# KiCad board FMC_MIPI_v2.kicad_pcb
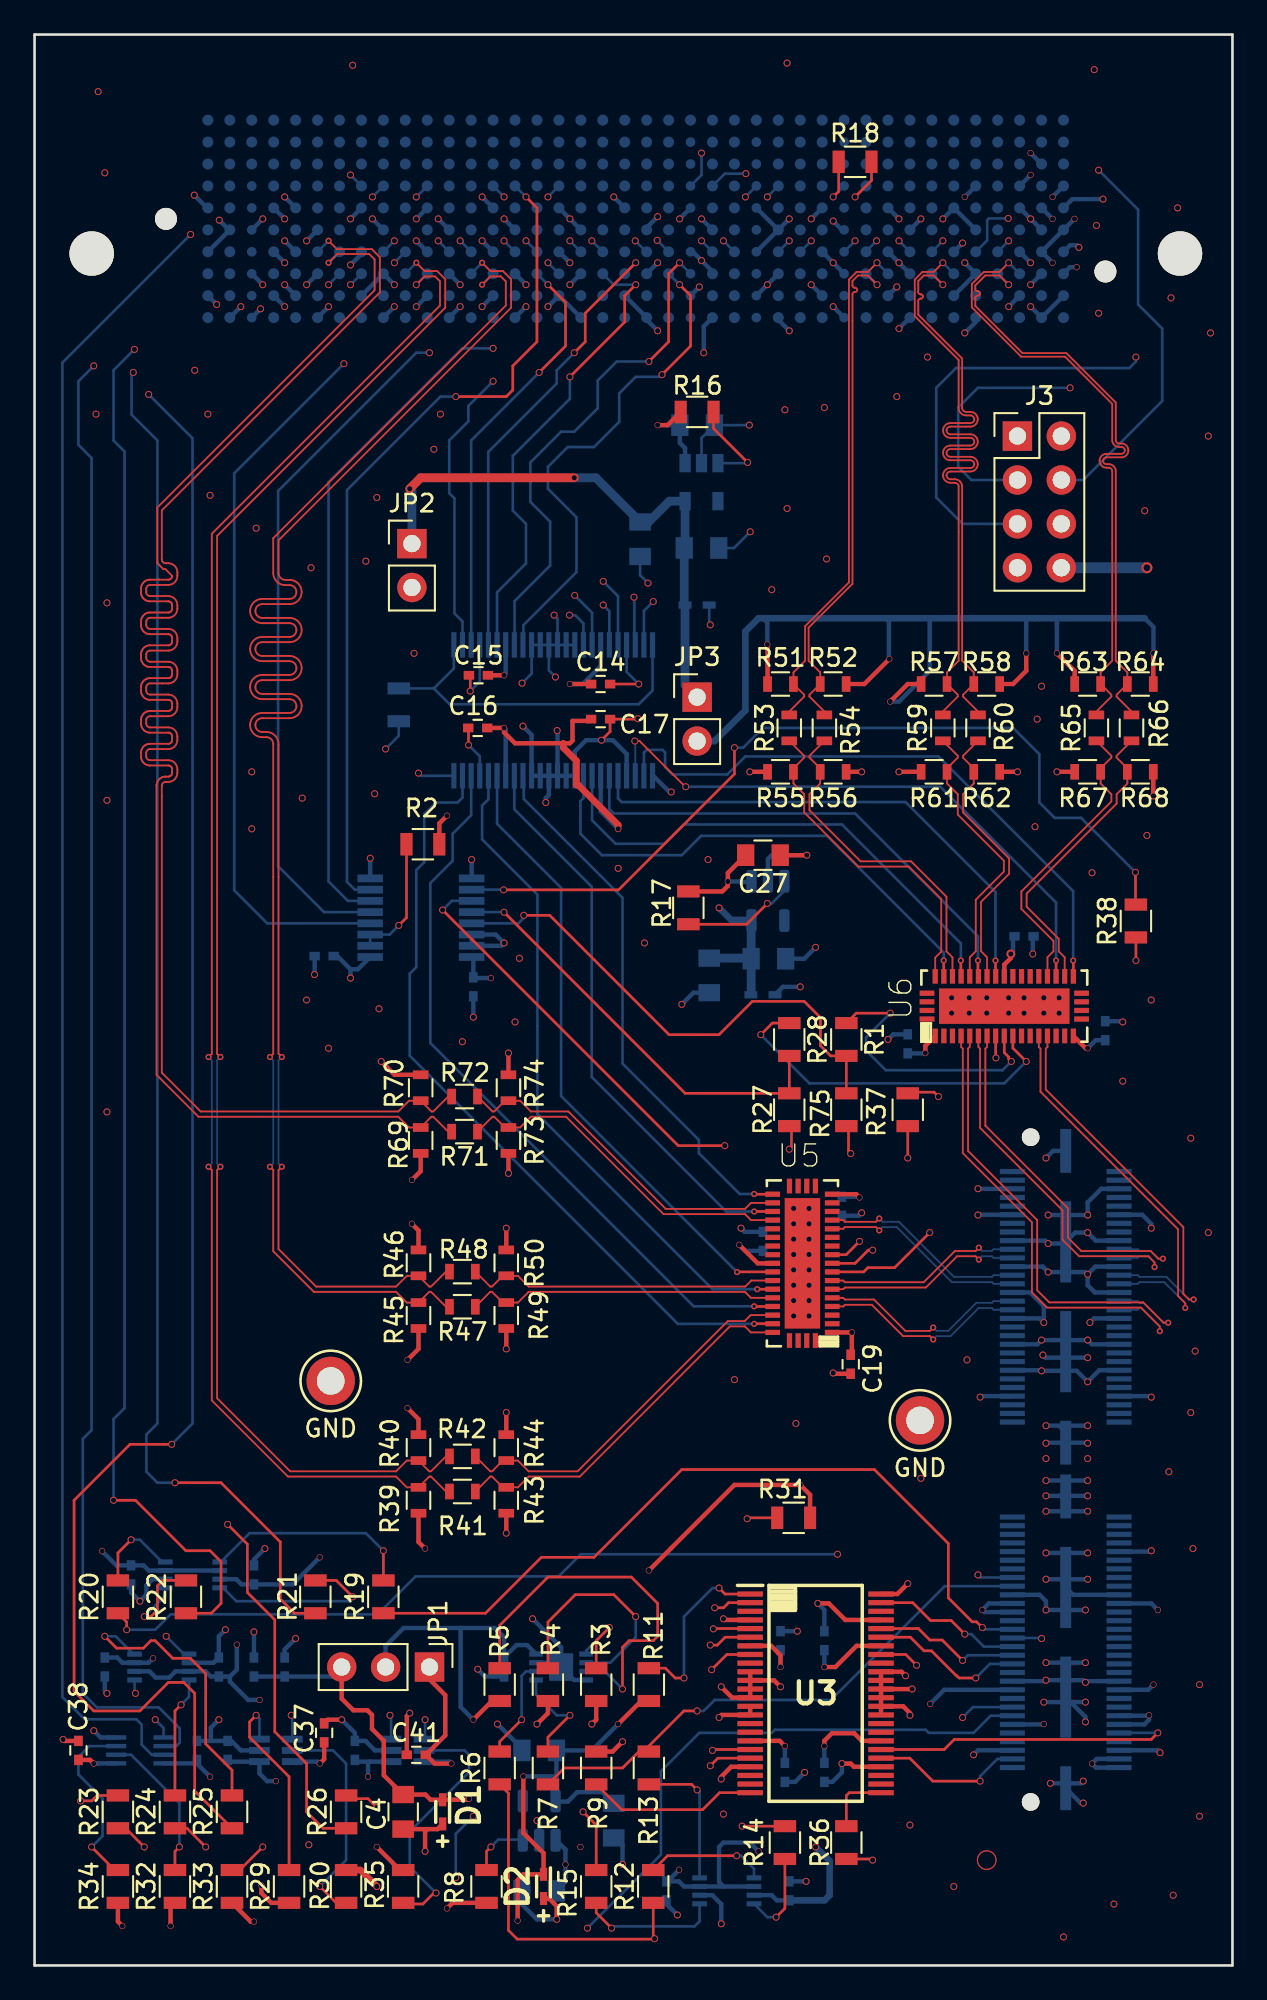
[diagram p0: board, top side]
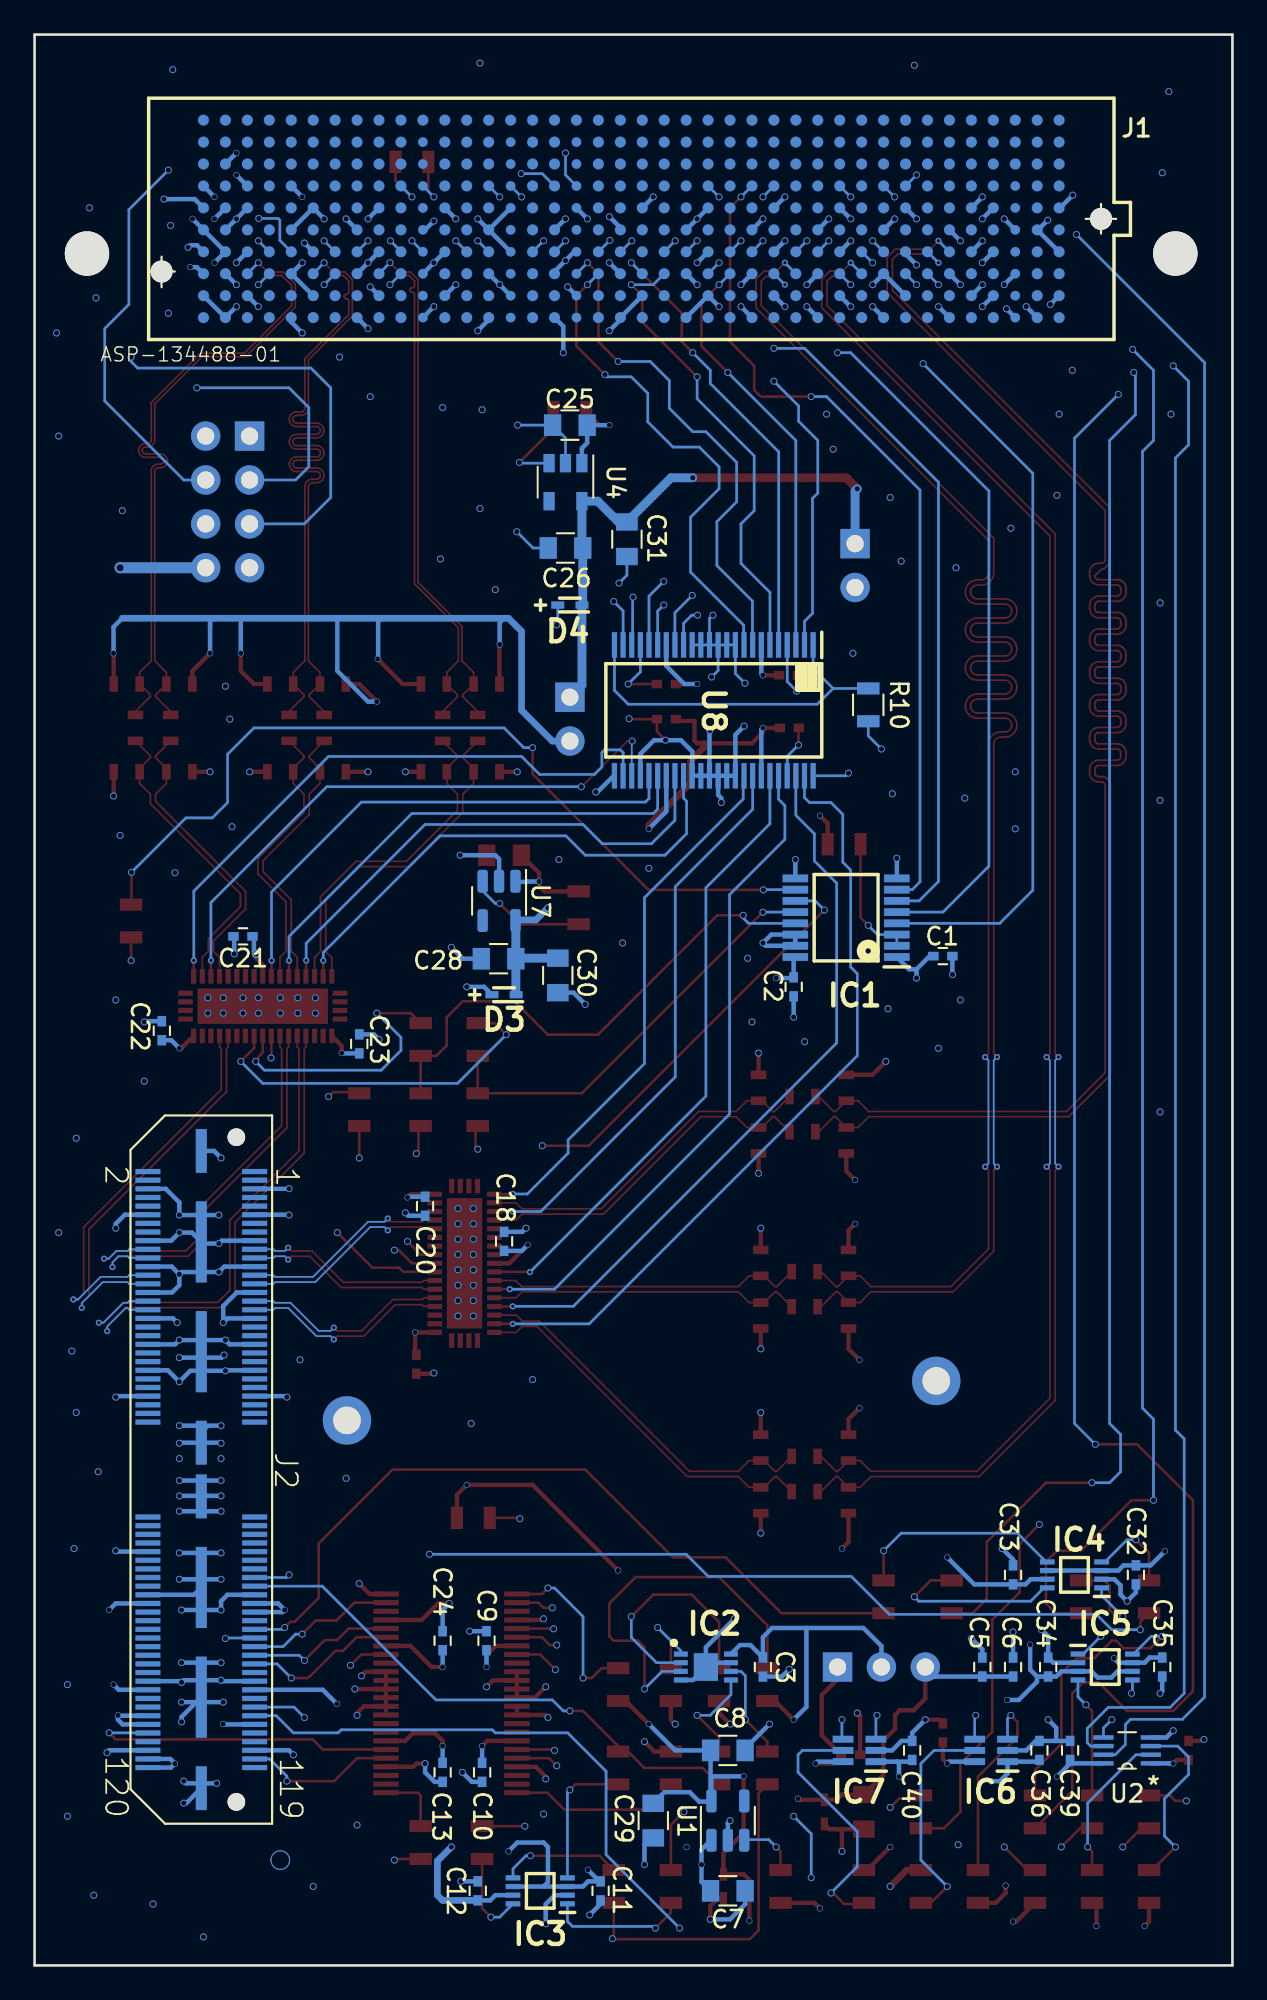
[diagram p1: board, bottom side, seen from below]

Outline 69.34 x 111.76 mm; copper layers: Top, In1.Cu, In2.Cu, In3.Cu, In4.Cu, Bottom. Coordinates in mm from the lower left corner of the outline.
Outline path: 0,0 0,111.76 69.34,111.76 69.34,0 0,0
Stack: Top 0.035mm / dielectric 0.274mm FR4 er 4.5 / In1.Cu 0.035mm / dielectric 0.274mm FR4 er 4.5 / In2.Cu 0.035mm / dielectric 0.274mm FR4 er 4.5 / In3.Cu 0.035mm / dielectric 0.274mm FR4 er 4.5 / In4.Cu 0.035mm / dielectric 0.274mm FR4 er 4.5 / Bottom 0.035mm

## Placement (name value [footprint] x y rotation side)
C1  0.1uF  [C_0402]  16.76 58.42 0 bottom
C2  0.1uF  [C_0402]  25.4 56.64 90 bottom
C3  0.1uF  [C_0402]  27.18 17.27 270 bottom
C4  4.7uF  [C_0805]  21.34 8.89 90 top
C5  0.1uF  [C_0402]  14.48 17.27 270 bottom
C6  0.1uF  [C_0402]  12.7 17.27 270 bottom
C7  1uF  [C_0805]  29.21 4.32 0 bottom
C8  1uF  [C_0805]  29.21 12.45 0 bottom
C9  0.1uF  [C_0402]  43.18 18.8 90 bottom
C10  0.1uF  [C_0402]  43.43 11.18 270 bottom
C11  0.1uF  [C_0402]  36.58 4.32 270 bottom
C12  0.1uF  [C_0402]  43.69 4.32 90 bottom
C13  0.1uF  [C_0402]  45.72 11.18 270 bottom
C14  0.1uF  [C_0402]  32.77 74.17 0 top
C15  0.1uF  [C_0402]  25.7 74.68 180 top
C16  0.1uF  [C_0402]  25.65 71.63 180 top
C17  0.1uF  [C_0402]  32.77 72.14 0 top
C18  0.1uF  [C_0402]  42.16 41.91 270 bottom
C19  0.1uF  [C_0402]  47.24 34.8 90 top
C20  0.1uF  [C_0402]  46.74 43.94 90 bottom
C21  0.1uF  [C_0402]  57.28 59.56 180 bottom
C22  0.1uF  [C_0402]  61.98 54.1 270 bottom
C23  0.1uF  [C_0402]  50.55 53.34 270 bottom
C24  0.1uF  [C_0402]  45.72 18.8 90 bottom
C25  1uF  [C_0805]  38.35 89.15 180 bottom
C26  1uF  [C_0805]  38.61 82.04 180 bottom
C27  1uF  [C_0805]  42.16 64.26 180 top
C28  1uF  [C_0805]  42.48 58.27 180 bottom
C29  4.7uF  [C_0805]  33.53 8.38 90 bottom
C30  4.7uF  [C_0805]  39.05 57.3 90 bottom
C31  4.7uF  [C_0805]  35.05 82.55 90 bottom
C32  0.1uF  [C_0402]  5.59 22.61 270 bottom
C33  0.1uF  [C_0402]  12.7 22.61 90 bottom
C34  0.1uF  [C_0402]  10.67 17.27 90 bottom
C35  0.1uF  [C_0402]  4.06 17.27 270 bottom
C36  0.1uF  [C_0402]  11.18 12.45 270 bottom
C37  0.1uF  [C_0402]  16.76 13.46 270 top
C38  0.1uF  [C_0402]  2.54 12.45 270 top
C39  0.1uF  [C_0402]  9.4 12.45 270 bottom
C40  0.1uF  [C_0402]  18.54 12.45 270 bottom
C41  0.1uF  [C_0402]  22.1 12.19 0 top
D1  UCLAMP0501H.TCT  [SODFL1608X70N]  23.62 8.89 270 top
D2  UCLAMP0501H.TCT  [SODFL1608X70N]  29.46 4.57 270 top
D3  UCLAMP0501H.TCT  [SODFL1608X70N]  42.16 56.18 0 bottom
D4  UCLAMP0501H.TCT  [SODFL1608X70N]  38.35 78.74 0 bottom
IC1  SN74AVC4T245PWR  [SOP65P640X120-16N]  22.36 60.64 0 bottom
IC2  AT24MAC402-MAHM-T  [SON50P300X200X60-9N]  30.48 17.27 180 bottom
IC3  TCA9406DCUR  [SOP50P310X90-8N]  40.07 4.32 0 bottom
IC4  TCA9406DCUR  [SOP50P310X90-8N]  9.14 22.61 0 bottom
IC5  TCA9406DCUR  [SOP50P310X90-8N]  7.37 17.27 180 bottom
IC6  SN74AVC1T45DCKT  [SOT65P210X110-6N]  13.97 12.45 0 bottom
IC7  SN74AVC1T45DCKT  [SOT65P210X110-6N]  21.59 12.45 0 bottom
J1  ASP-134488-01  [ASP-134488-01_VER2]  34.8 101.09 180 bottom
J2  QTH-060-01-L-D-A  [QTH-060-01-X-D-A-QTH-060-01-X-D-A]  59.69 28.7 270 bottom
J3  Conn_01x08_Female  [PinHeader_2x04_P2.54mm_Vertical]  56.9 88.52 0 top
JP1  Jumper_3_Bridged12  [Pin_Header_Straight_1x03_Pitch2.54mm]  22.86 17.27 270 top
JP2  Jumper  [Pin_Header_Straight_1x02_Pitch2.54mm]  21.84 82.3 0 top
JP3  Jumper  [Pin_Header_Straight_1x02_Pitch2.54mm]  38.35 73.41 0 top
R1  0  [R_0805]  46.99 53.59 270 top
R2  4.7k  [R_0805]  22.48 64.9 180 top
R3  4.7k  [R_0805]  32.51 16.26 270 top
R4  4.7k  [R_0805]  29.72 16.26 270 top
R5  4.7k  [R_0805]  26.92 16.26 270 top
R6  0  [R_0805]  26.92 11.43 270 top
R7  0  [R_0805]  29.72 11.43 270 top
R8  0  [R_0805]  26.16 4.57 90 top
R9  4.7k  [R_0805]  32.51 11.43 90 top
R10  4.7k  [R_0805]  21.08 72.96 270 bottom
R11  4.7k  [R_0805]  35.56 16.26 270 top
R12  0  [R_0805]  35.81 4.57 90 top
R13  0  [R_0805]  35.56 11.43 270 top
R14  0  [R_0805]  43.43 7.11 90 top
R15  0  [R_0805]  32.51 4.57 90 top
R16  0  [R_0805]  38.35 89.92 0 top
R17  0  [R_0805]  37.85 61.21 270 top
R18  0  [R_0805]  47.5 104.39 0 top
R19  0  [R_0805]  20.19 21.34 90 top
R20  0  [R_0805]  4.83 21.34 90 top
R21  0  [R_0805]  16.26 21.34 270 top
R22  0  [R_0805]  8.76 21.34 270 top
R23  0  [R_0805]  4.83 8.89 90 top
R24  0  [R_0805]  8.13 8.89 90 top
R25  0  [R_0805]  11.43 8.89 270 top
R26  0  [R_0805]  18.03 8.89 270 top
R27  0  [R_0805]  43.69 49.53 90 top
R28  0  [R_0805]  43.69 53.59 270 top
R29  2.2k  [R_0805]  14.73 4.57 90 top
R30  4.7k  [R_0805]  18.03 4.57 270 top
R31  2.2k  [R_0805]  43.94 25.91 0 top
R32  2.2k  [R_0805]  8.13 4.57 90 top
R33  4.7k  [R_0805]  11.43 4.57 90 top
R34  2.2k  [R_0805]  4.83 4.57 90 top
R35  4.7k  [R_0805]  21.34 4.57 270 top
R36  0  [R_0805]  46.99 7.11 270 top
R37  0  [R_0805]  50.55 49.53 90 top
R38  0  [R_0805]  63.75 60.45 90 top
R39  220  [R_0603]  22.22 26.92 90 top
R40  220  [R_0603]  22.22 29.97 90 top
R41  47  [R_0603]  24.77 27.43 180 top
R42  47  [R_0603]  24.77 29.46 180 top
R43  9.1  [R_0603]  27.3 26.92 90 top
R44  9.1  [R_0603]  27.3 29.97 90 top
R45  220  [R_0603]  22.22 37.62 90 top
R46  220  [R_0603]  22.22 40.67 90 top
R47  47  [R_0603]  24.77 38.13 180 top
R48  47  [R_0603]  24.77 40.16 180 top
R49  9.1  [R_0603]  27.3 37.62 90 top
R50  9.1  [R_0603]  27.3 40.67 90 top
R51  220  [R_0603]  43.18 74.17 0 top
R52  220  [R_0603]  46.23 74.17 0 top
R53  47  [R_0603]  43.69 71.63 90 top
R54  47  [R_0603]  45.72 71.63 90 top
R55  9.1  [R_0603]  43.18 69.09 0 top
R56  9.1  [R_0603]  46.23 69.09 0 top
R57  220  [R_0603]  52.07 74.17 0 top
R58  220  [R_0603]  55.12 74.17 0 top
R59  47  [R_0603]  52.58 71.63 90 top
R60  47  [R_0603]  54.61 71.63 90 top
R61  9.1  [R_0603]  52.07 69.09 0 top
R62  9.1  [R_0603]  55.12 69.09 0 top
R63  220  [R_0603]  60.96 74.17 0 top
R64  220  [R_0603]  64.01 74.17 0 top
R65  47  [R_0603]  61.47 71.63 90 top
R66  47  [R_0603]  63.5 71.63 90 top
R67  9.1  [R_0603]  60.96 69.09 0 top
R68  9.1  [R_0603]  64.01 69.09 0 top
R69  220  [R_0603]  22.35 47.75 90 top
R70  220  [R_0603]  22.35 50.8 90 top
R71  47  [R_0603]  24.89 48.26 180 top
R72  47  [R_0603]  24.89 50.29 180 top
R73  9.1  [R_0603]  27.43 47.75 90 top
R74  9.1  [R_0603]  27.43 50.8 90 top
R75  0  [R_0805]  46.99 49.53 90 top
TP1  GND  [TestPoint_Keystone_5010-5014_Multipurpose]  51.26 31.55 0 top
TP2  GND  [TestPoint_Keystone_5010-5014_Multipurpose]  17.14 33.83 0 top
U1  LP5907MFX-1.8  [SOT-23-5]  29.21 8.38 90 bottom
U2  -  [SN74AVC2T45DCUR]  6.1 12.45 0 bottom
U3  SN74AVCH16T245GR  [SOP50P810X120-48N]  45.21 15.75 0 top
U4  TLV75525PDBV  [SOT-23-5#2]  38.61 85.85 270 bottom
U5  TS3DDR3812_RUA_42  [TS3DDR3812RUAR]  44.45 40.64 180 top
U6  TS3DDR3812_RUA_42  [TS3DDR3812RUAR]  56.13 55.52 90 top
U7  LP5907MFX-1.2  [SOT-23-5]  42.45 61.62 270 bottom
U8  SN74AVCH16T245GR  [SOP50P810X120-48N]  30.02 72.64 270 bottom

## Library data of the parts
C1 = -: LCSC: C1525; Part Number: CL05B104KO5NNNC; Tolerance: 10%; Voltage: 25V
C2 C3 C5 C6 C9-C12 C14-C16 C18 C19 C21 C22 C24 C32-C41 = -: LCSC: C1525; Part Number: TMK105BJ104KV-F; Tolerance: 10%; Voltage: 25V
C4 C29 = -: LCSC: C1779; Part Number: CL21A475KAQNNNE; Tolerance: 10%; Voltage: 25V
C7 = -: LCSC: C28323; Part Number: CL21B105KBFNNNE; Tolerance: 10%; Voltage: 50 VDC
C8 C25-C28 = -: Part Number: UMK212B7105KG-T; Tolerance: 10%; Voltage: 50 VDC
C13 C17 C20 C23 = -: Part Number: TMK105BJ104KV-F; Tolerance: 10%; Voltage: 25V
C30 C31 = -: Part Number: C2012X7R1H475K125AC; Tolerance: 10%; Voltage: 25V
D1-D4 = -: Description: SEMTECH - UCLAMP0501H.TCT - TVS DIODE, 240W, 5V, SOD-523, FULL REEL; Height: 0.7; LCSC: C117557; Manufacturer_Name: SEMTECH; Mouser Part Number: 947-UCLAMP0501H.TCT; Mouser Price/Stock: https://www.mouser.co.uk/ProductDetail/Semtech/UCLAMP0501H.TCT?qs=rBWM4%252BvDhIf5bhuPjughFg%3D%3D
IC1 = -: Description: 4-Bit Dual-Supply Bus Transceiver with Configurable Voltage-Level Shifting and 3-State Outputs; Height: 1.2; LCSC: C81461; Manufacturer_Name: Texas Instruments; Mouser Part Number: 595-SN74AVC4T245PWR; Mouser Price/Stock: https://www.mouser.co.uk/ProductDetail/Texas-Instruments/SN74AVC4T245PWR?qs=eXyjQBh9UFjikDDZFUGXXQ%3D%3D
IC2 = -: Description: MICROCHIP - AT24MAC402-MAHM-T - EEPROM, 2KBIT, -40 TO 85DEG C; Height: 0.6; LCSC: NeedToAsk; Manufacturer_Name: Microchip; Mouser Part Number: 556-AT24MAC402-MAHMT; Mouser Price/Stock: https://www.mouser.co.uk/ProductDetail/Microchip-Technology-Atmel/AT24MAC402-MAHM-T?qs=s44pgLhgXQgpbA4lLTgdKw%3D%3D
IC3 = -: Description: 2-Bit Bidirectional 1-MHz I2C Bus and SMBus Voltage-Level Shifter; Height: 0.9; LCSC: C840107; Manufacturer_Name: Texas Instruments; Mouser Part Number: 595-TCA9406DCUR; Mouser Price/Stock: https://www.mouser.co.uk/ProductDetail/Texas-Instruments/TCA9406DCUR?qs=Ze4%2FuFuz19JoG7CJtrwdKQ%3D%3D
IC4 IC5 = -: Description: 2-Bit Bidirectional 1-MHz I2C Bus and SMBus Voltage-Level Shifter; Height: 0.9; Manufacturer_Name: Texas Instruments; Mouser Part Number: 595-TCA9406DCUR; Mouser Price/Stock: https://www.mouser.co.uk/ProductDetail/Texas-Instruments/TCA9406DCUR?qs=Ze4%2FuFuz19JoG7CJtrwdKQ%3D%3D
IC6 IC7 = -: Description: Single-Bit Dual-Supply Bus Transceiver with Configurable Voltage-Level Shifting and 3-State Outputs; Height: 1.1; LCSC: NeedToAsk; Manufacturer_Name: Texas Instruments; Mouser Part Number: 595-SN74AVC1T45DCKT; Mouser Price/Stock: https://www.mouser.co.uk/ProductDetail/Texas-Instruments/SN74AVC1T45DCKT?qs=X3IDIfI%252BJAWGXke6mCH0bA%3D%3D
J1 J2 U4-U6 = -: LCSC: NeedToAsk
JP1 = -: LCSC: DnP; Part Number: 22-28-4033
JP2 JP3 = -: LCSC: DnP; Part Number: 22-28-5023
R1 R6-R8 R12-R28 R36-R38 R75 = -: LCSC: C17477; Part Number: 0805W8F0000T5E; Power: 1/8W; Tolerance: 5%
R2-R5 R9 R11 = -: LCSC: C17673; Part Number: CR0805-JW-472ELF; Power: 1/8W; Tolerance: 5%
R10 R30 R33 R35 = -: Part Number: CR0805-JW-472ELF; Power: 1/8W; Tolerance: 5%
R29 R31 R32 R34 = -: LCSC: C17520; Power: 1/8W; Tolerance: 5%
R39 R40 R45 R46 R51 R52 R57 R58 R63 R64 R69 R70 = -: LCSC: C107696; Part Number: RC0603FR-07220RL; Power: 100mW; Tolerance: 1%
R41 R42 R47 R48 R53 R54 R59 R60 R65 R66 R71 R72 = -: LCSC: C114623; Part Number: RC0603FR-0747RL; Power: 100 mW; Tolerance: 1%
R43 R44 R49 R50 R55 R56 R61 R62 R67 R68 R73 R74 = -: LCSC: C103890; Part Number: CR0603-F/-9R10ELF; Power: 100 mW; Tolerance: 1%
TP1 TP2 = -: LCSC: DnP; Part Number: 5011
U1 = -: LCSC: C92498; Part Number: LP5907MFX-1.8/NOPB
U2 = -: LCSC: C140318
U3 U8 = -: Description: Texas Instruments SN74AVCH16T245GR, Quad, Bus Transceiver, 16-Bit Non-Inverting 3-State, 1.2  3.6 V, 48-Pin; Height: 1.2; LCSC: C181413; Manufacturer_Name: Texas Instruments; Mouser Part Number: 595-SN74AVCH16T245GR; Mouser Price/Stock: https://www.mouser.co.uk/ProductDetail/Texas-Instruments/SN74AVCH16T245GR?qs=0kuPHEOuoRS%2FhgQrw9uwLg%3D%3D
U7 = -: LCSC: C73478

## Footprints (pads in the part's own frame, mm; a bottom-side part is the same pattern mirrored in y, then rotated)
ASP-134488-01_VER2
  round 2.565 hole 2.565 unplated: (-31.509,-2.007) (31.491,-2.007)
  round 1.27 hole 1.27 unplated: (-27.191,-3.048) (27.191,0)
  round 0.635 smd: A1(24.765,5.715) A2(23.495,5.715) A3(22.225,5.715) A4(20.955,5.715) A5(19.685,5.715) A6(18.415,5.715) A7(17.145,5.715) A8(15.875,5.715) A9(14.605,5.715) A10(13.335,5.715) A11(12.065,5.715) A12(10.795,5.715) A13(9.525,5.715) A14(8.255,5.715) A15(6.985,5.715) A16(5.715,5.715) A17(4.445,5.715) A18(3.175,5.715) A19(1.905,5.715) A20(0.635,5.715) A21(-0.635,5.715) A22(-1.905,5.715) A23(-3.175,5.715) A24(-4.445,5.715) A25(-5.715,5.715) A26(-6.985,5.715) A27(-8.255,5.715) A28(-9.525,5.715) A29(-10.795,5.715) A30(-12.065,5.715) A31(-13.335,5.715) A32(-14.605,5.715) A33(-15.875,5.715) A34(-17.145,5.715) A35(-18.415,5.715) A36(-19.685,5.715) A37(-20.955,5.715) A38(-22.225,5.715) A39(-23.495,5.715) A40(-24.765,5.715) B1(24.765,4.445) B2(23.495,4.445) B3(22.225,4.445) B4(20.955,4.445) B5(19.685,4.445) B6(18.415,4.445) B7(17.145,4.445) B8(15.875,4.445) B9(14.605,4.445) B10(13.335,4.445) B11(12.065,4.445) B12(10.795,4.445) B13(9.525,4.445) B14(8.255,4.445) B15(6.985,4.445) B16(5.715,4.445) B17(4.445,4.445) B18(3.175,4.445) B19(1.905,4.445) B20(0.635,4.445) B21(-0.635,4.445) B22(-1.905,4.445) B24(-4.445,4.445) B25(-5.715,4.445) B27(-8.255,4.445) B28(-9.525,4.445) B29(-10.795,4.445) B31(-13.335,4.445) B32(-14.605,4.445) B33(-15.875,4.445) B34(-17.145,4.445) B35(-18.415,4.445) B36(-19.685,4.445) B37(-20.955,4.445) B38(-22.225,4.445) B39(-23.495,4.445) B40(-24.765,4.445) C1(24.765,3.175) C2(23.495,3.175) C3(22.225,3.175) C4(20.955,3.175) C5(19.685,3.175) C6(18.415,3.175) C7(17.145,3.175) C8(15.875,3.175) C9(14.605,3.175) C10(13.335,3.175) C11(12.065,3.175) C12(10.795,3.175) C13(9.525,3.175) C14(8.255,3.175) C15(6.985,3.175) C16(5.715,3.175) C17(4.445,3.175) C18(3.175,3.175) C19(1.905,3.175) C20(0.635,3.175) C21(-0.635,3.175) C22(-1.905,3.175) C24(-4.445,3.175) C25(-5.715,3.175) C27(-8.255,3.175) C28(-9.525,3.175) C29(-10.795,3.175) C31(-13.335,3.175) C32(-14.605,3.175) C33(-15.875,3.175) C34(-17.145,3.175) C35(-18.415,3.175) C36(-19.685,3.175) C37(-20.955,3.175) C38(-22.225,3.175) C39(-23.495,3.175) C40(-24.765,3.175) D1(24.765,1.905) D2(23.495,1.905) D4(20.955,1.905) D5(19.685,1.905) D6(18.415,1.905) D7(17.145,1.905) D8(15.875,1.905) D9(14.605,1.905) D10(13.335,1.905) D11(12.065,1.905) D12(10.795,1.905) D13(9.525,1.905) D14(8.255,1.905) D15(6.985,1.905) D16(5.715,1.905) D17(4.445,1.905) D18(3.175,1.905) D19(1.905,1.905) D20(0.635,1.905) D21(-0.635,1.905) D22(-1.905,1.905) D24(-4.445,1.905) D25(-5.715,1.905) D27(-8.255,1.905) D28(-9.525,1.905) D29(-10.795,1.905) D31(-13.335,1.905) D32(-14.605,1.905) D33(-15.875,1.905) D34(-17.145,1.905) D35(-18.415,1.905) D36(-19.685,1.905) D37(-20.955,1.905) D38(-22.225,1.905) D39(-23.495,1.905) D40(-24.765,1.905) E1(24.765,0.635) E2(23.495,0.635) E4(20.955,0.635) E5(19.685,0.635) E6(18.415,0.635) E7(17.145,0.635) E8(15.875,0.635) E9(14.605,0.635) E10(13.335,0.635) E11(12.065,0.635) E12(10.795,0.635) E13(9.525,0.635) E14(8.255,0.635) E15(6.985,0.635) E16(5.715,0.635) E17(4.445,0.635) E18(3.175,0.635) E19(1.905,0.635) E20(0.635,0.635) E21(-0.635,0.635) E22(-1.905,0.635) E24(-4.445,0.635) E25(-5.715,0.635) E27(-8.255,0.635) E28(-9.525,0.635) E29(-10.795,0.635) E31(-13.335,0.635) E32(-14.605,0.635) E33(-15.875,0.635) E34(-17.145,0.635) E35(-18.415,0.635) E36(-19.685,0.635) E37(-20.955,0.635) E38(-22.225,0.635) E39(-23.495,0.635) E40(-24.765,0.635) F1(24.765,-0.635) F2(23.495,-0.635) F4(20.955,-0.635) F5(19.685,-0.635) F6(18.415,-0.635) F7(17.145,-0.635) F8(15.875,-0.635) F9(14.605,-0.635) F10(13.335,-0.635) F11(12.065,-0.635) F12(10.795,-0.635) F13(9.525,-0.635) F14(8.255,-0.635) F15(6.985,-0.635) F16(5.715,-0.635) F17(4.445,-0.635) F18(3.175,-0.635) F19(1.905,-0.635) F20(0.635,-0.635) F21(-0.635,-0.635) F22(-1.905,-0.635) F24(-4.445,-0.635) F25(-5.715,-0.635) F27(-8.255,-0.635) F28(-9.525,-0.635) F29(-10.795,-0.635) F31(-13.335,-0.635) F32(-14.605,-0.635) F33(-15.875,-0.635) F34(-17.145,-0.635) F35(-18.415,-0.635) F36(-19.685,-0.635) F37(-20.955,-0.635) F38(-22.225,-0.635) F39(-23.495,-0.635) F40(-24.765,-0.635) G1(24.765,-1.905) G2(23.495,-1.905) G4(20.955,-1.905) G5(19.685,-1.905) G6(18.415,-1.905) G7(17.145,-1.905) G8(15.875,-1.905) G9(14.605,-1.905) G10(13.335,-1.905) G11(12.065,-1.905) G12(10.795,-1.905) G13(9.525,-1.905) G14(8.255,-1.905) G15(6.985,-1.905) G16(5.715,-1.905) G17(4.445,-1.905) G18(3.175,-1.905) G19(1.905,-1.905) G20(0.635,-1.905) G21(-0.635,-1.905) G22(-1.905,-1.905) G24(-4.445,-1.905) G25(-5.715,-1.905) G27(-8.255,-1.905) G28(-9.525,-1.905) G29(-10.795,-1.905) G31(-13.335,-1.905) G32(-14.605,-1.905) G33(-15.875,-1.905) G34(-17.145,-1.905) G35(-18.415,-1.905) G36(-19.685,-1.905) G37(-20.955,-1.905) G38(-22.225,-1.905) G39(-23.495,-1.905) G40(-24.765,-1.905) H1(24.765,-3.175) H2(23.495,-3.175) H4(20.955,-3.175) H5(19.685,-3.175) H6(18.415,-3.175) H7(17.145,-3.175) H8(15.875,-3.175) H9(14.605,-3.175) H10(13.335,-3.175) H11(12.065,-3.175) H12(10.795,-3.175) H13(9.525,-3.175) H14(8.255,-3.175) H15(6.985,-3.175) H16(5.715,-3.175) H17(4.445,-3.175) H18(3.175,-3.175) H19(1.905,-3.175) H20(0.635,-3.175) H21(-0.635,-3.175) H22(-1.905,-3.175) H24(-4.445,-3.175) H25(-5.715,-3.175) H27(-8.255,-3.175) H28(-9.525,-3.175) H29(-10.795,-3.175) H31(-13.335,-3.175) H32(-14.605,-3.175) H33(-15.875,-3.175) H34(-17.145,-3.175) H35(-18.415,-3.175) H36(-19.685,-3.175) H37(-20.955,-3.175) H38(-22.225,-3.175) H39(-23.495,-3.175) H40(-24.765,-3.175) J1(24.765,-4.445) J2(23.495,-4.445) J4(20.955,-4.445) J5(19.685,-4.445) J6(18.415,-4.445) J7(17.145,-4.445) J8(15.875,-4.445) J9(14.605,-4.445) J10(13.335,-4.445) J11(12.065,-4.445) J12(10.795,-4.445) J13(9.525,-4.445) J14(8.255,-4.445) J15(6.985,-4.445) J16(5.715,-4.445) J17(4.445,-4.445) J18(3.175,-4.445) J19(1.905,-4.445) J20(0.635,-4.445) J21(-0.635,-4.445) J22(-1.905,-4.445) J24(-4.445,-4.445) J25(-5.715,-4.445) J27(-8.255,-4.445) J28(-9.525,-4.445) J29(-10.795,-4.445) J31(-13.335,-4.445) J32(-14.605,-4.445) J33(-15.875,-4.445) J34(-17.145,-4.445) J35(-18.415,-4.445) J36(-19.685,-4.445) J37(-20.955,-4.445) J38(-22.225,-4.445) J39(-23.495,-4.445) J40(-24.765,-4.445) K1(24.765,-5.715) K2(23.495,-5.715) K4(20.955,-5.715) K5(19.685,-5.715) K6(18.415,-5.715) K7(17.145,-5.715) K8(15.875,-5.715) K9(14.605,-5.715) K10(13.335,-5.715) K11(12.065,-5.715) K12(10.795,-5.715) K13(9.525,-5.715) K14(8.255,-5.715) K15(6.985,-5.715) K16(5.715,-5.715) K17(4.445,-5.715) K18(3.175,-5.715) K19(1.905,-5.715) K20(0.635,-5.715) K21(-0.635,-5.715) K22(-1.905,-5.715) K24(-4.445,-5.715) K25(-5.715,-5.715) K27(-8.255,-5.715) K28(-9.525,-5.715) K29(-10.795,-5.715) K31(-13.335,-5.715) K32(-14.605,-5.715) K33(-15.875,-5.715) K34(-17.145,-5.715) K35(-18.415,-5.715) K36(-19.685,-5.715) K37(-20.955,-5.715) K38(-22.225,-5.715) K39(-23.495,-5.715) K40(-24.765,-5.715)
  round 0.559 smd: B23(-3.175,4.445) B26(-6.985,4.445) B30(-12.065,4.445) C23(-3.175,3.175) C26(-6.985,3.175) C30(-12.065,3.175) D3(22.225,1.905) D23(-3.175,1.905) D26(-6.985,1.905) D30(-12.065,1.905) E3(22.225,0.635) E23(-3.175,0.635) E26(-6.985,0.635) E30(-12.065,0.635) F3(22.225,-0.635) F23(-3.175,-0.635) F26(-6.985,-0.635) F30(-12.065,-0.635) G3(22.225,-1.905) G23(-3.175,-1.905) G26(-6.985,-1.905) G30(-12.065,-1.905) H3(22.225,-3.175) H23(-3.175,-3.175) H26(-6.985,-3.175) H30(-12.065,-3.175) J3(22.225,-4.445) J23(-3.175,-4.445) J26(-6.985,-4.445) J30(-12.065,-4.445) K3(22.225,-5.715) K23(-3.175,-5.715) K26(-6.985,-5.715) K30(-12.065,-5.715)
C_0402
  rect 0.6x0.5 smd: 1(-0.55,0) 2(0.55,0)
C_0805
  rect 1x1.25 smd: 1(-1,0) 2(1,0)
Pin_Header_Straight_1x02_Pitch2.54mm
  rect 1.7x1.7 hole 1: 1(0,0)
  oval 1.7x1.7 hole 1: 2(0,-2.54)
Pin_Header_Straight_1x03_Pitch2.54mm
  rect 1.7x1.7 hole 1: 1(0,0)
  oval 1.7x1.7 hole 1: 2(0,-2.54) 3(0,-5.08)
PinHeader_2x04_P2.54mm_Vertical
  rect 1.7x1.7 hole 1: 1(0,0)
  oval 1.7x1.7 hole 1: 2(2.54,0) 3(0,-2.54) 4(2.54,-2.54) 5(0,-5.08) 6(2.54,-5.08) 7(0,-7.62) 8(2.54,-7.62)
QTH-060-01-X-D-A-QTH-060-01-X-D-A
  round 1.019 hole 1.019 unplated: (-19.238,2.029) (19.238,2.029)
  rect 0.3x1.448 smd: 1(-17.249,3.089) 2(-17.249,-3.089) 3(-16.749,3.089) 4(-16.749,-3.089) 5(-16.248,3.089) 6(-16.248,-3.089) 7(-15.748,3.089) 8(-15.748,-3.089) 9(-15.248,3.089) 10(-15.248,-3.089) 11(-14.75,3.089) 12(-14.75,-3.089) 13(-14.249,3.089) 14(-14.249,-3.089) 15(-13.749,3.089) 16(-13.749,-3.089) 17(-13.249,3.089) 18(-13.249,-3.089) 19(-12.748,3.089) 20(-12.748,-3.089) 21(-12.248,3.089) 22(-12.248,-3.089) 23(-11.748,3.089) 24(-11.748,-3.089) 25(-11.25,3.089) 26(-11.25,-3.089) 27(-10.749,3.089) 28(-10.749,-3.089) 29(-10.249,3.089) 30(-10.249,-3.089) 31(-9.749,3.089) 32(-9.749,-3.089) 33(-9.248,3.089) 34(-9.248,-3.089) 35(-8.748,3.089) 36(-8.748,-3.089) 37(-8.25,3.089) 38(-8.25,-3.089) 39(-7.75,3.089) 40(-7.75,-3.089) 41(-7.249,3.089) 42(-7.249,-3.089) 43(-6.749,3.089) 44(-6.749,-3.089) 45(-6.248,3.089) 46(-6.248,-3.089) 47(-5.748,3.089) 48(-5.748,-3.089) 49(-5.248,3.089) 50(-5.248,-3.089) 51(-4.75,3.089) 52(-4.75,-3.089) 53(-4.249,3.089) 54(-4.249,-3.089) 55(-3.749,3.089) 56(-3.749,-3.089) 57(-3.249,3.089) 58(-3.249,-3.089) 59(-2.748,3.089) 60(-2.748,-3.089) 61(2.748,3.089) 62(2.748,-3.089) 63(3.249,3.089) 64(3.249,-3.089) 65(3.749,3.089) 66(3.749,-3.089) 67(4.249,3.089) 68(4.249,-3.089) 69(4.75,3.089) 70(4.75,-3.089) 71(5.248,3.089) 72(5.248,-3.089) 73(5.748,3.089) 74(5.748,-3.089) 75(6.248,3.089) 76(6.248,-3.089) 77(6.749,3.089) 78(6.749,-3.089) 79(7.249,3.089) 80(7.249,-3.089) 81(7.75,3.089) 82(7.75,-3.089) 83(8.25,3.089) 84(8.25,-3.089) 85(8.748,3.089) 86(8.748,-3.089) 87(9.248,3.089) 88(9.248,-3.089) 89(9.749,3.089) 90(9.749,-3.089) 91(10.249,3.089) 92(10.249,-3.089) 93(10.749,3.089) 94(10.749,-3.089) 95(11.25,3.089) 96(11.25,-3.089) 97(11.748,3.089) 98(11.748,-3.089) 99(12.248,3.089) 100(12.248,-3.089) 101(12.748,3.089) 102(12.748,-3.089) 103(13.249,3.089) 104(13.249,-3.089) 105(13.749,3.089) 106(13.749,-3.089) 107(14.249,3.089) 108(14.249,-3.089) 109(14.75,3.089) 110(14.75,-3.089) 111(15.248,3.089) 112(15.248,-3.089) 113(15.748,3.089) 114(15.748,-3.089) 115(16.248,3.089) 116(16.248,-3.089) 117(16.749,3.089) 118(16.749,-3.089) 119(17.249,3.089) 120(17.249,-3.089)